# Altium PCB JDR2812（公开）.PcbDoc (part 1 of 3)
Units mil, origin at the board's own origin, x right, y up, seen from the top; angles counter-clockwise.
Board outline 8760 x 7210 mil, 4 copper layers (Top Layer, VCC, GND, Bottom Layer); 243 components, 432 nets, 1287 pads, 362 vias.
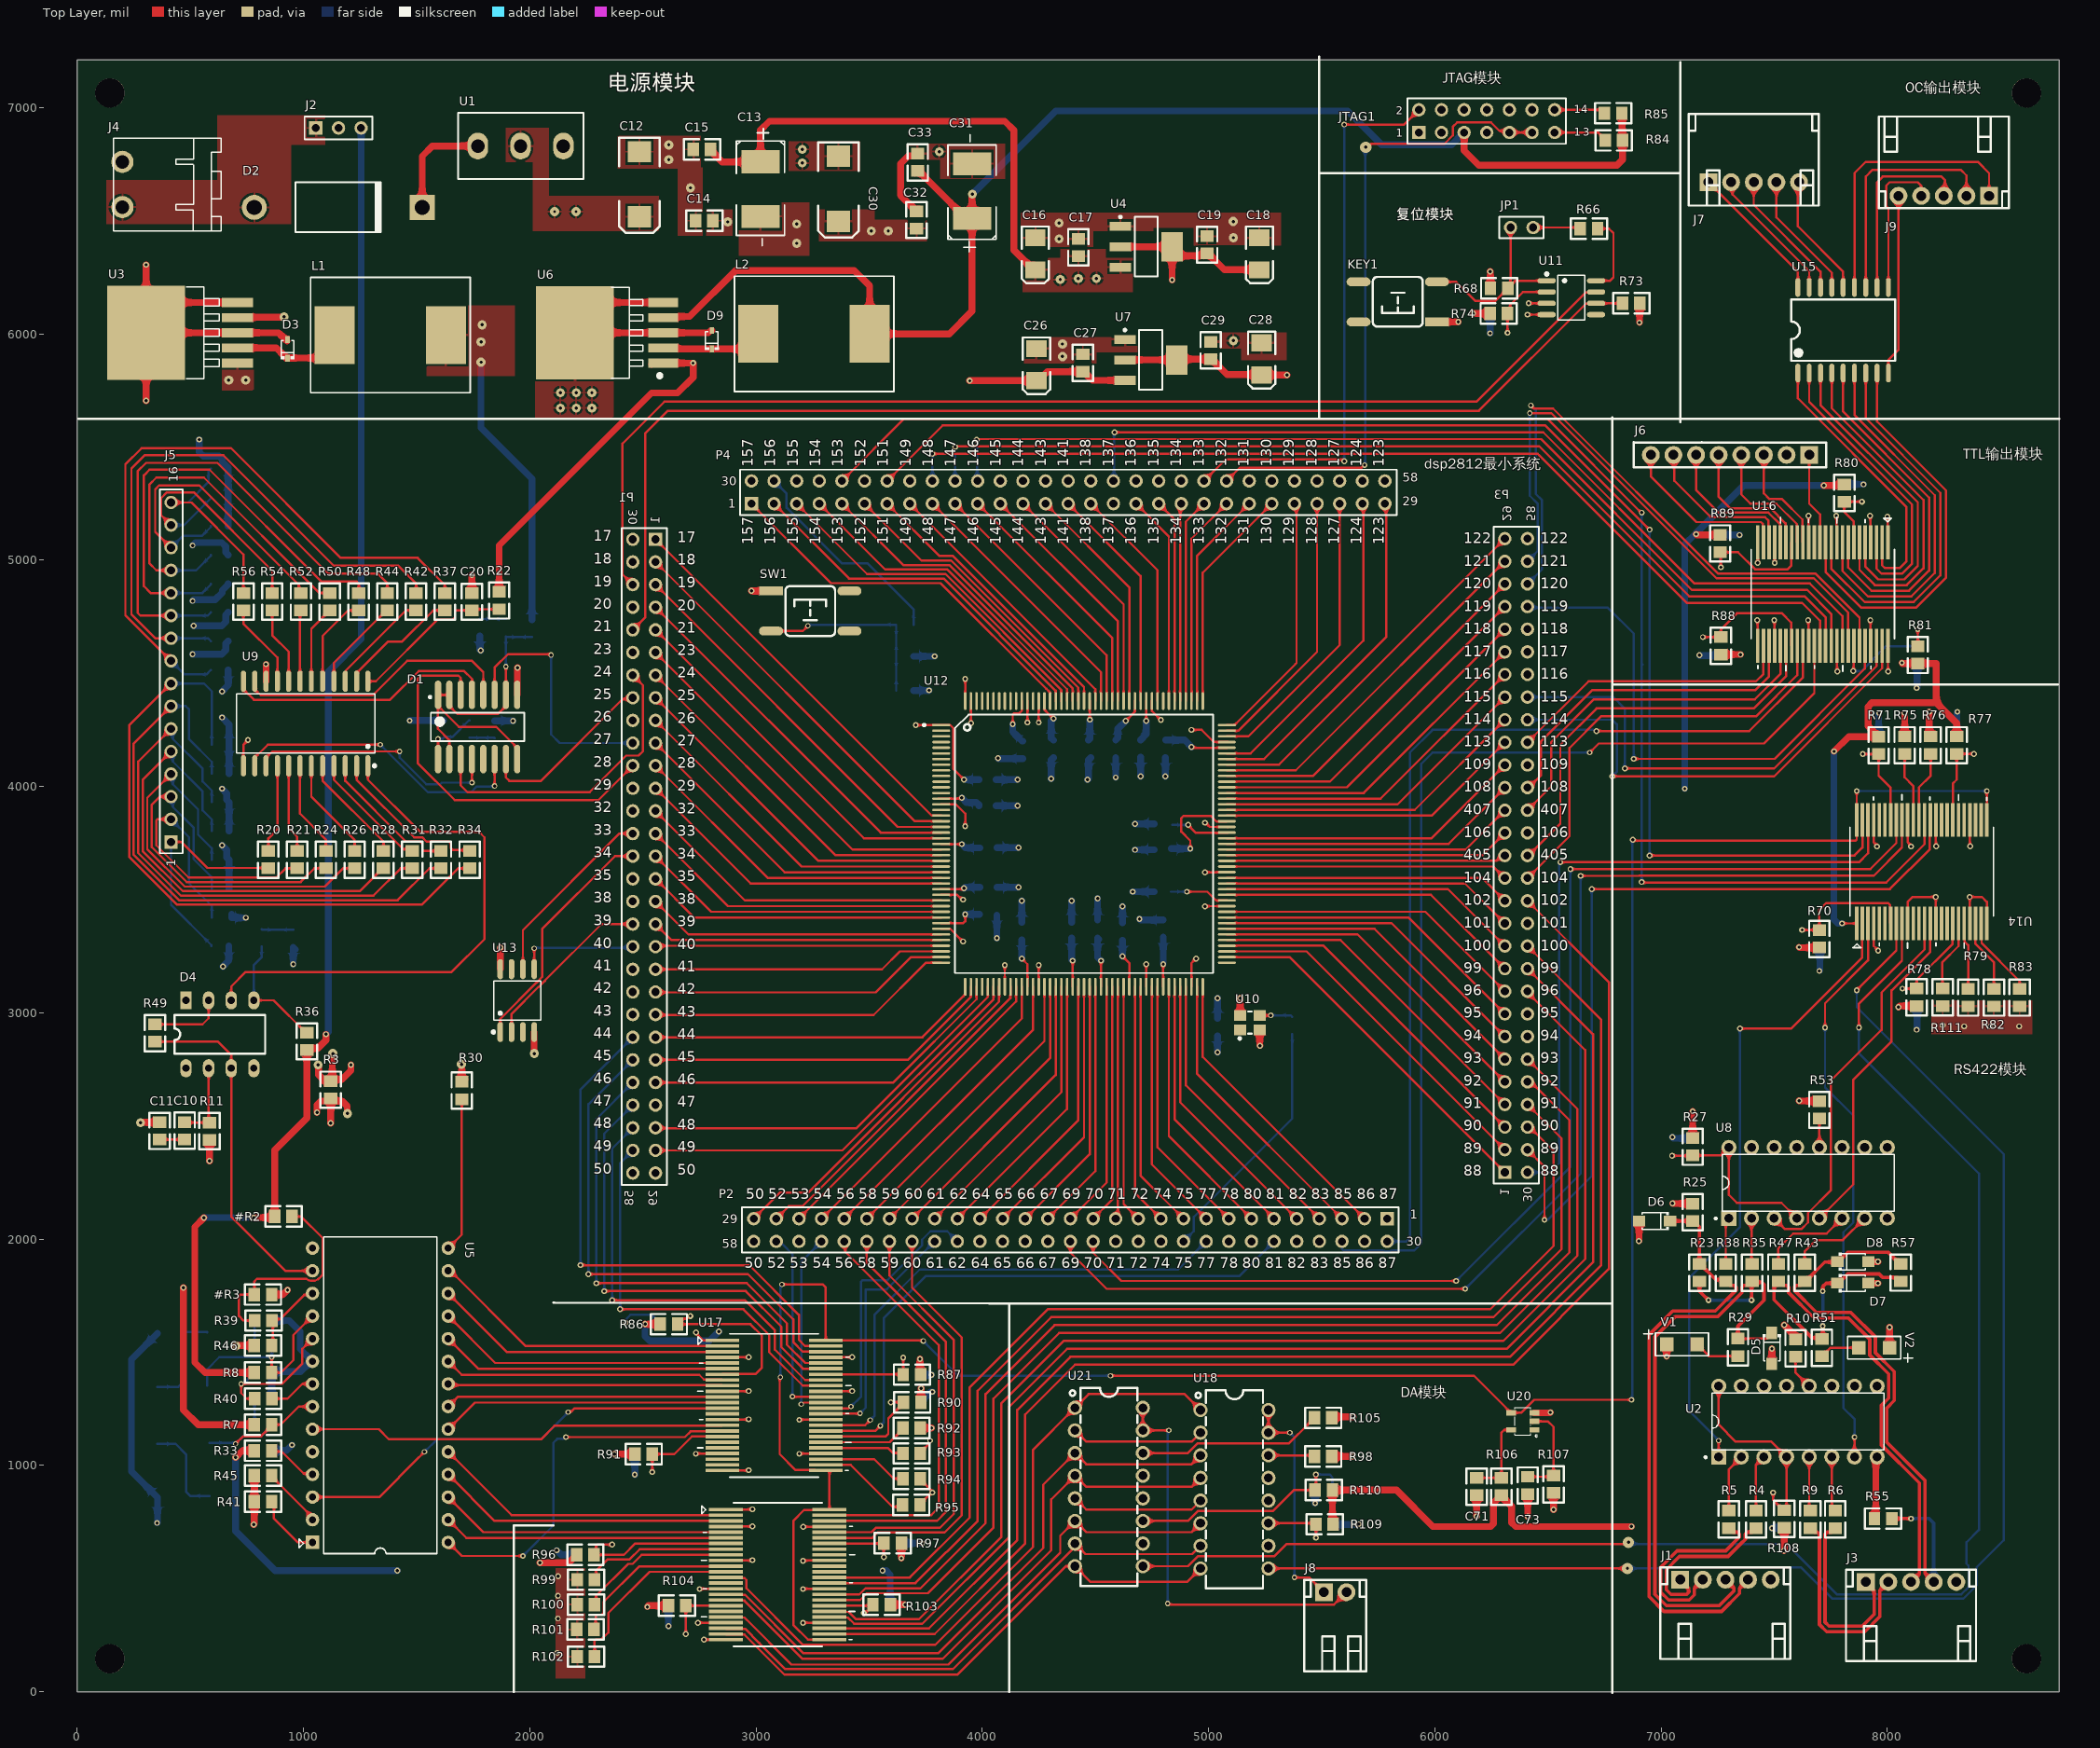
[diagram p0: Top Layer view]
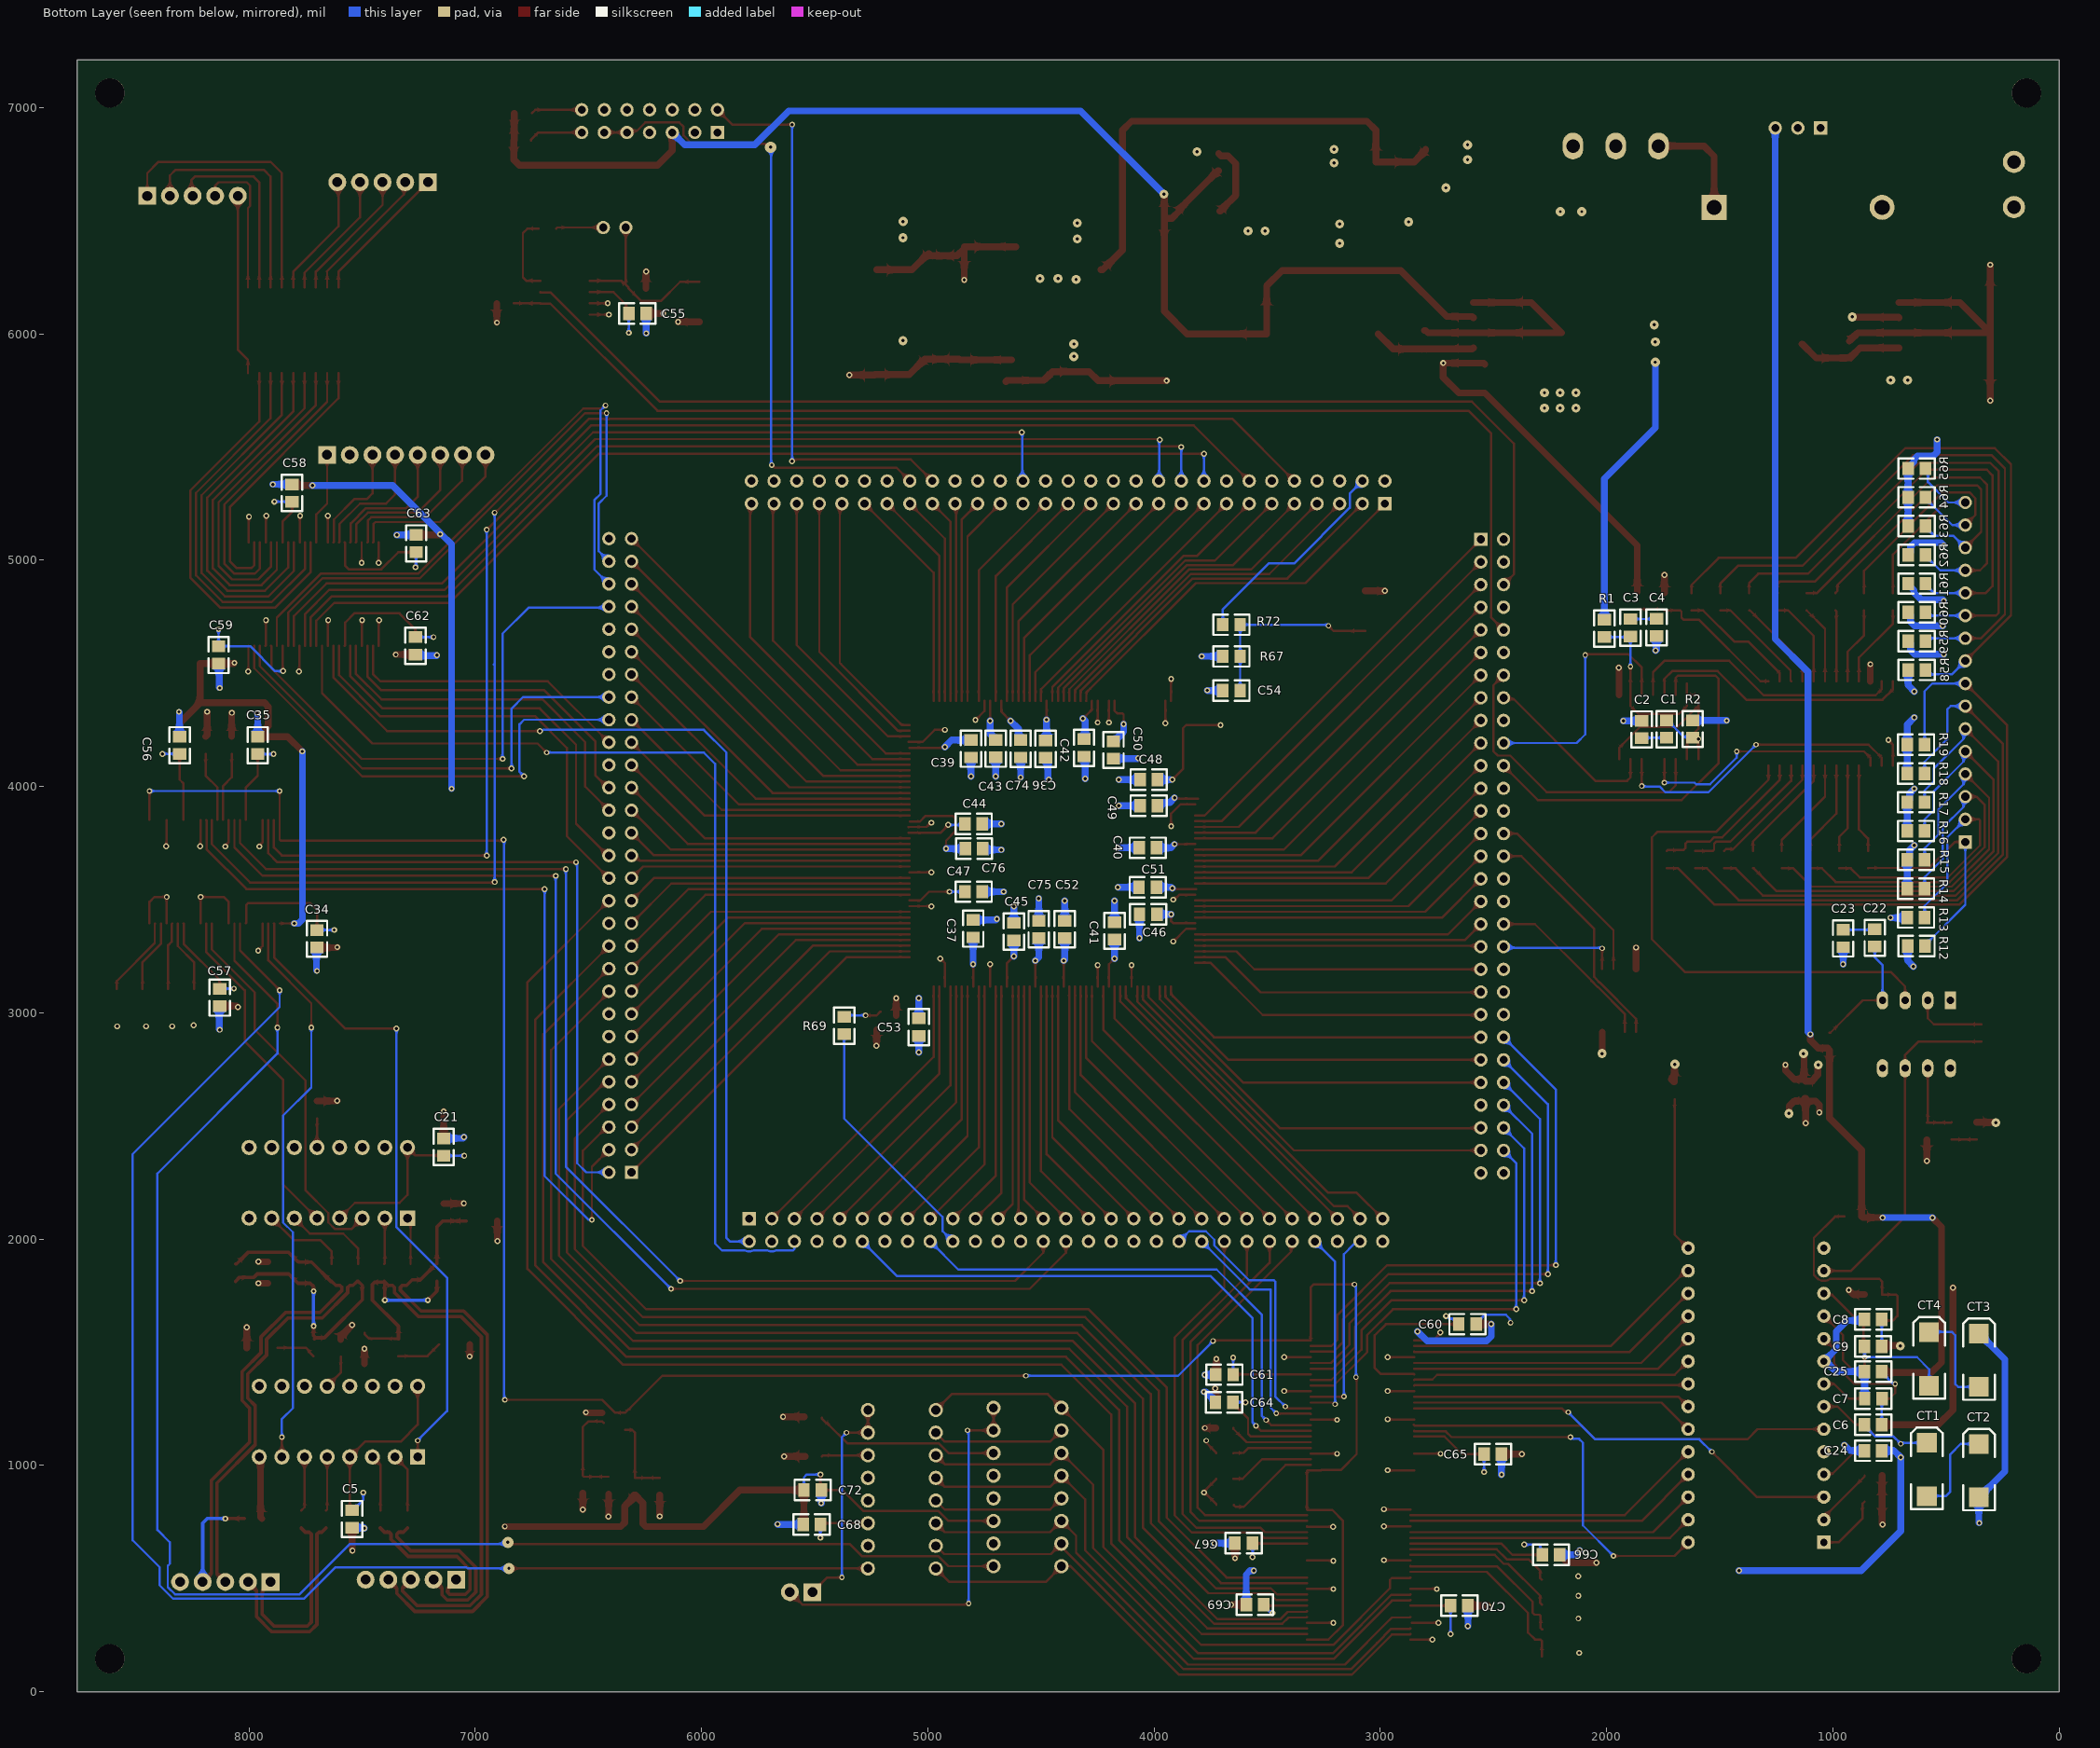
[diagram p1: Bottom Layer view, seen from below]
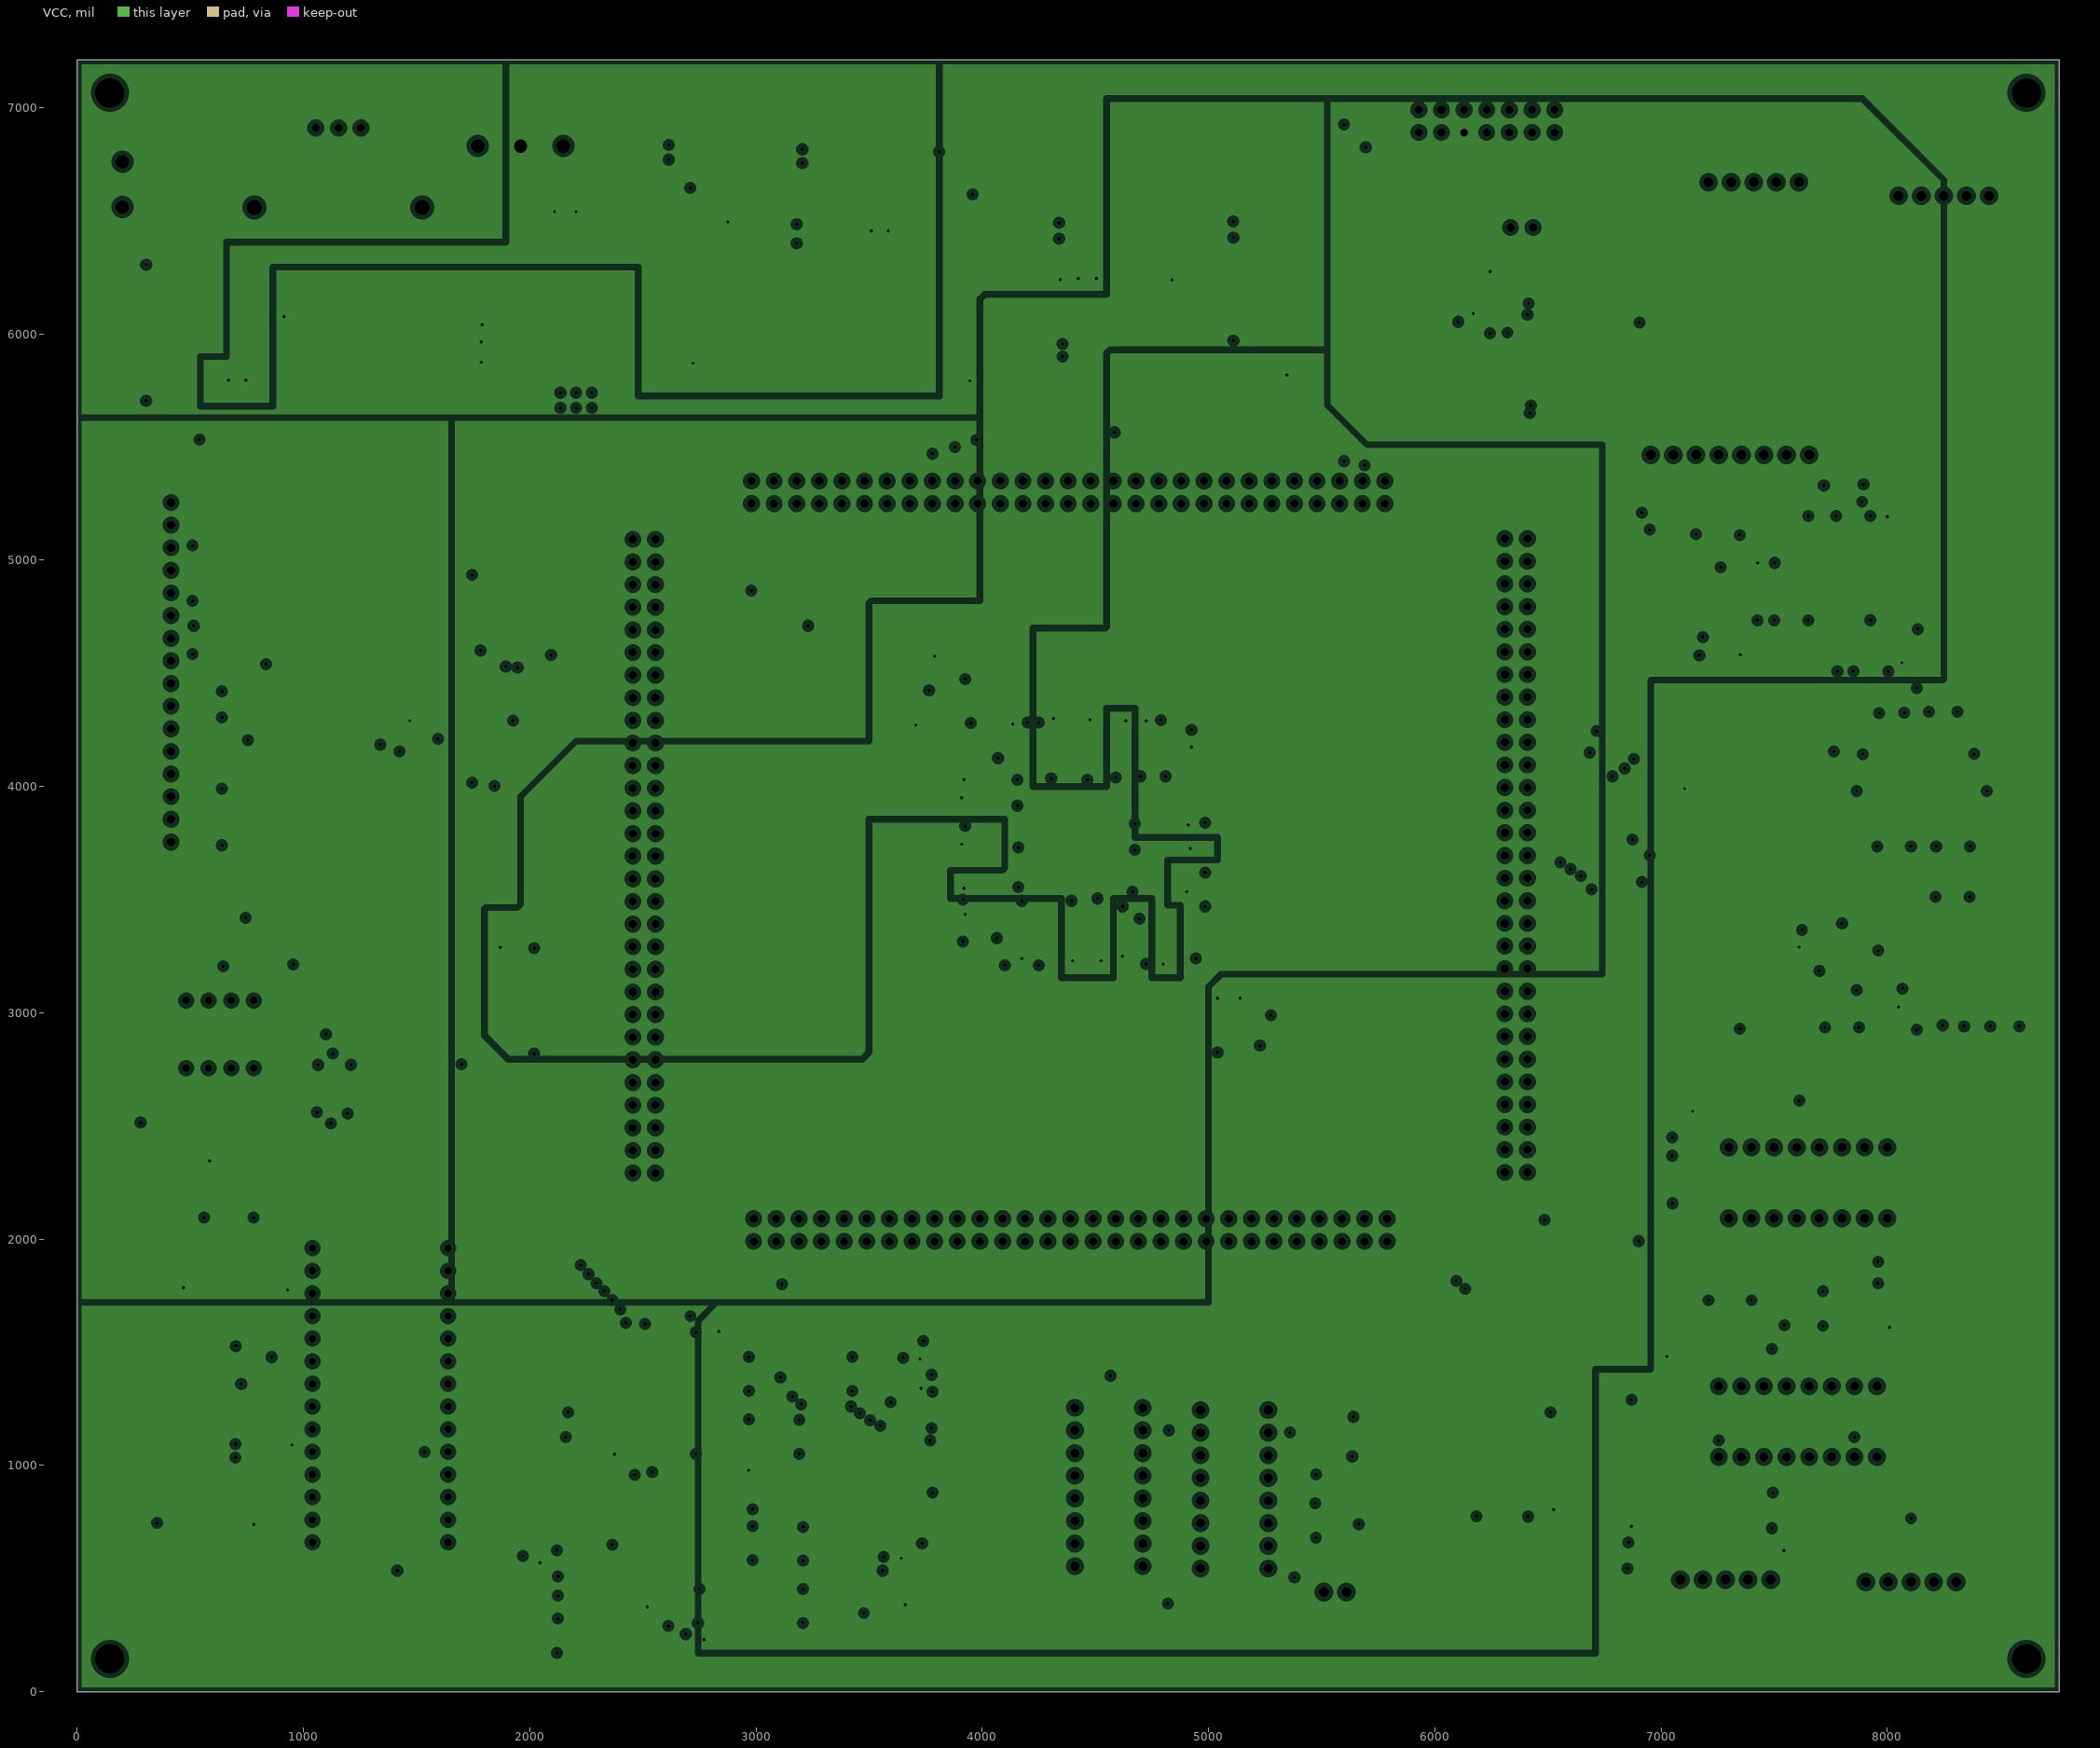
[diagram p2: VCC, clearances drawn from the general rule]